# Altium PCB main_io.PcbDoc (part 2 of 3)
Units mil, origin at the board's own origin, x right, y up, seen from the top; angles counter-clockwise.
Board outline 6000 x 9000 mil, 4 copper layers (Top Layer, GND, PWR, Bottom Layer), stack 25.634 mil thick; 533 components, 267 nets, 1561 pads, 50 vias.
Unrouted connection lines stored in the file: 788.
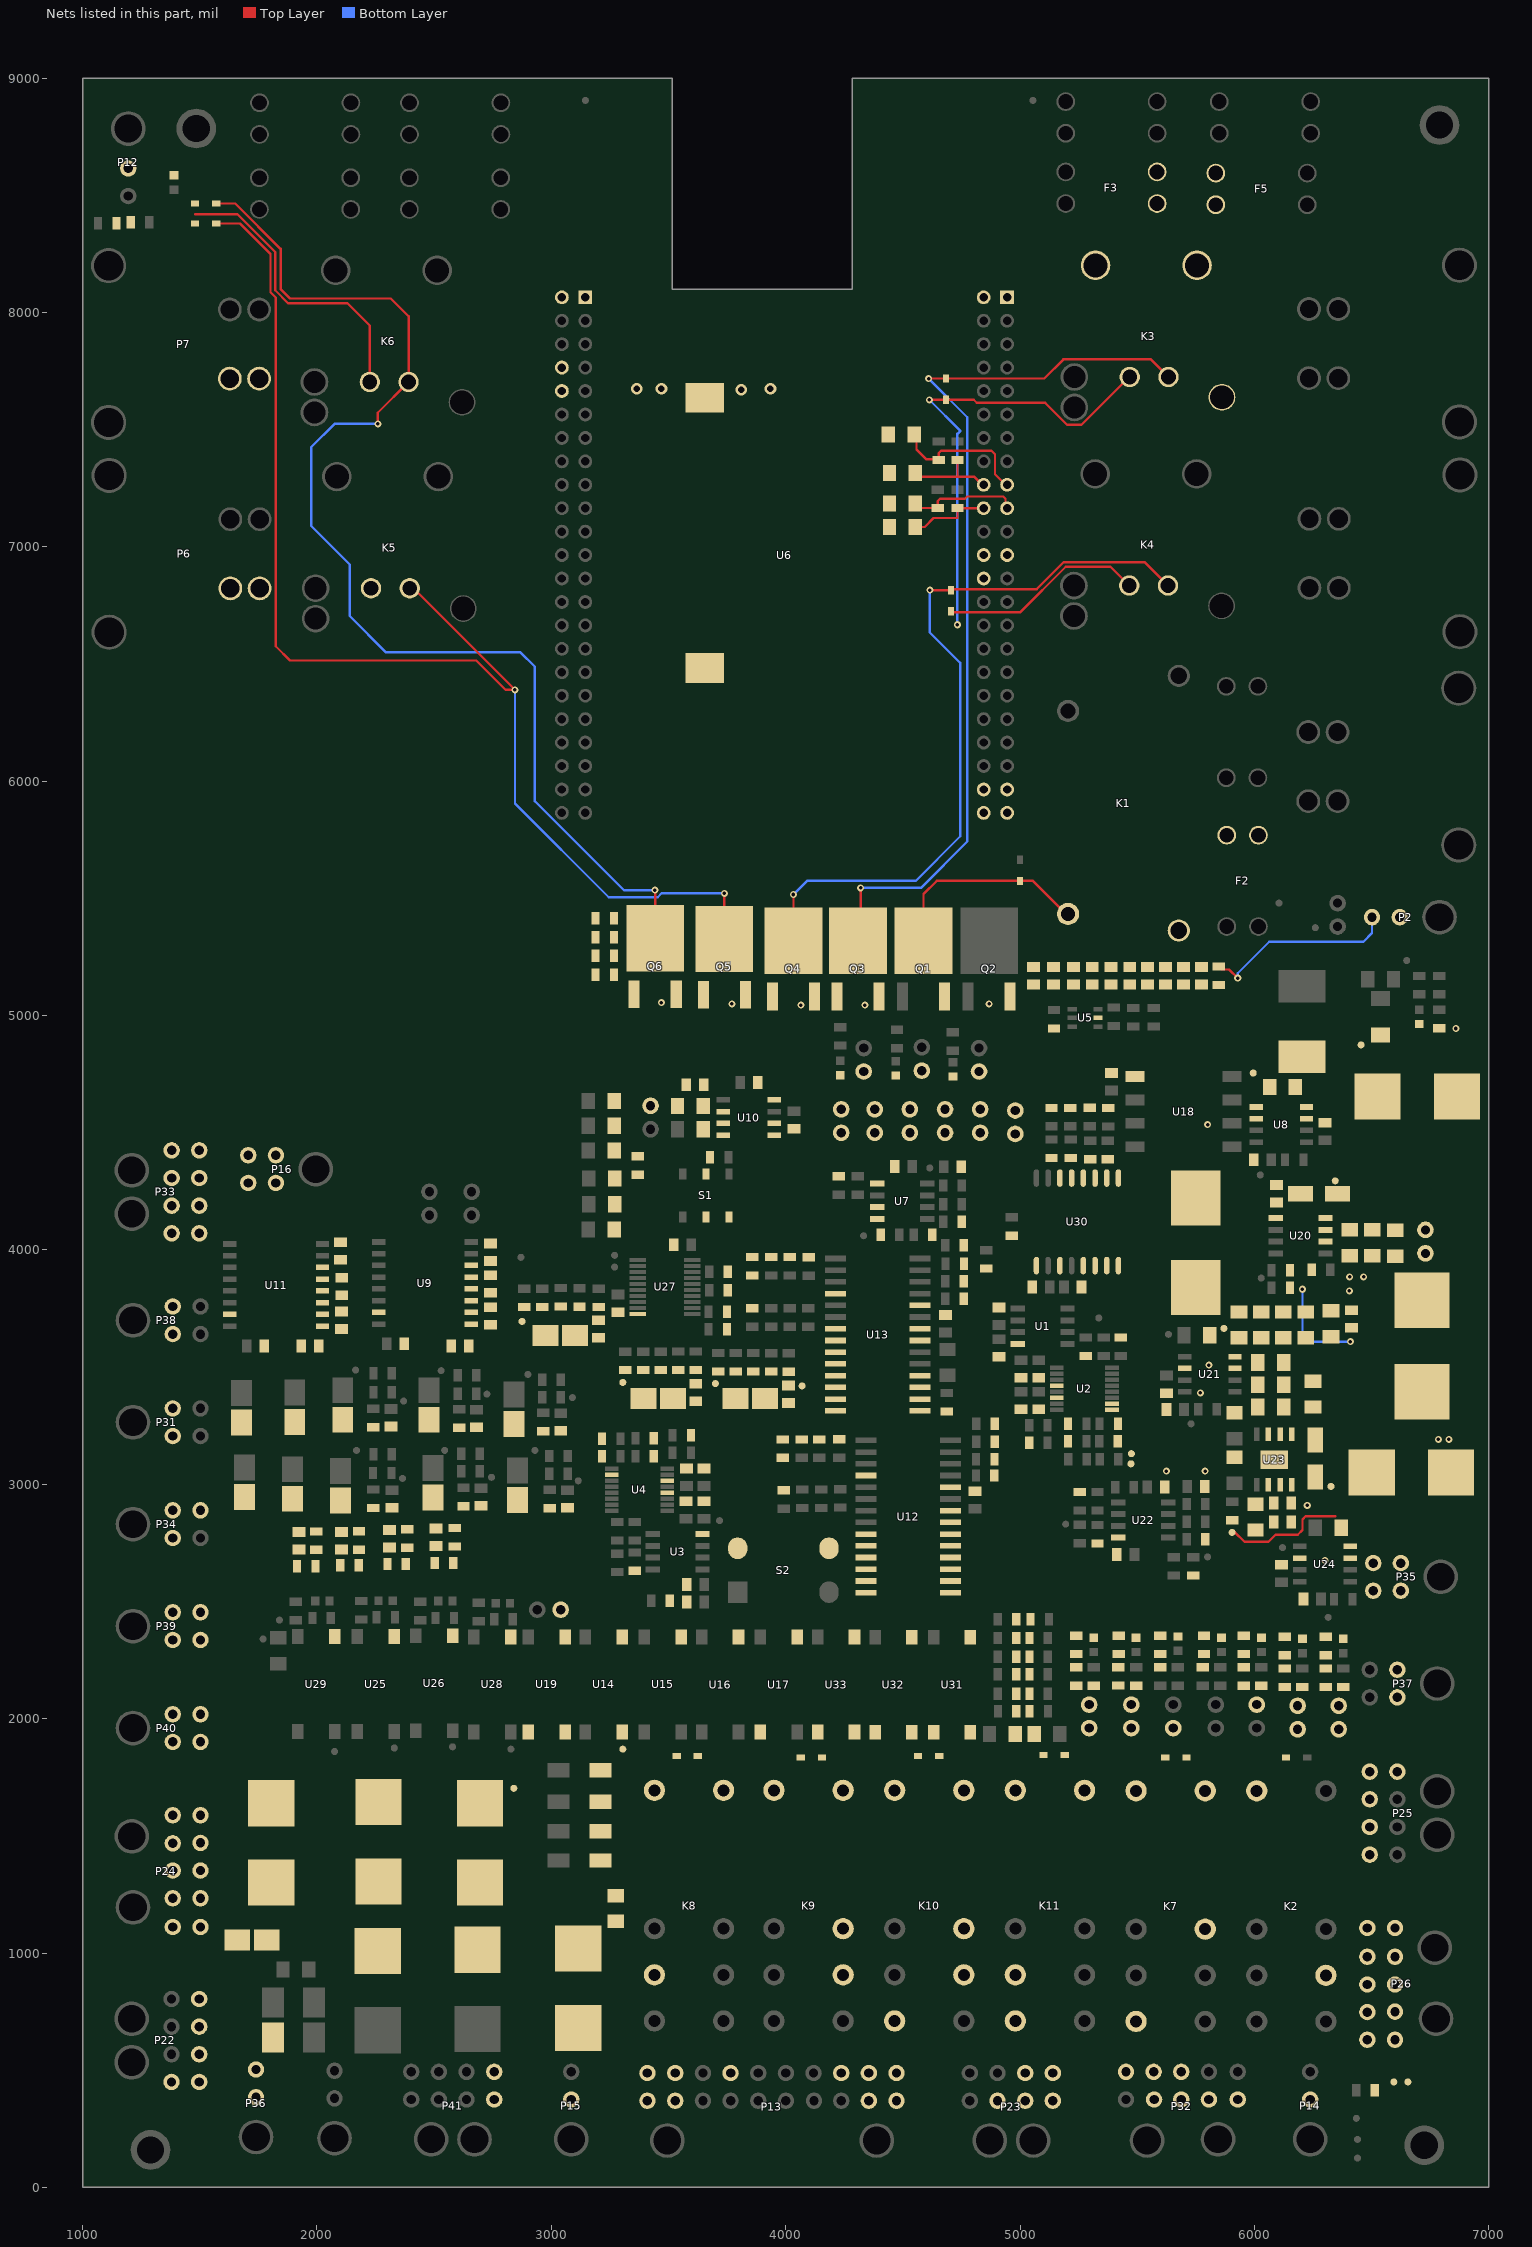
[diagram p4: the nets of this part, all layers, seen from the top]

## Part data
BT2: "HOLDER COIN CELL 2032 SMD", Manufacturer="Memory Protection Devices", Max Operating Temperature=280°C, Min Operating Temperature=-40°C, Package Quantity=400, Supplier Part Number 1=BU2032SM-JJ-GDKR-ND, ComponentLink1Description=http://www.memoryprotectiondevices.com/datasheets/BU2032SM-JJ-GTR-datasheet.pdf?src-supplier=Digi-Key, ComponentLink1URL=http://www.memoryprotectiondevices.com/datasheets/BU2032SM-JJ-GTR-datasheet.pdf?src-supplier=Digi-Key, ComponentLink2Description=https://media.digikey.com/pdf/Data%20Sheets/Memory%20Protection%20PDFs/Coin_Cell_Guide.pdf?src-supplier=Digi-Key, ComponentLink2URL=https://media.digikey.com/pdf/Data%20Sheets/Memory%20Protection%20PDFs/Coin_Cell_Guide.pdf?src-supplier=Digi-Key, Mount="Surface Mount,PCB", Number of Cells=1, Pricing 1="1=0.99, 10=0.836, 100=0.6907 (USD)", Stock 1=90564, Supplier 1=Digi-Key, Termination=SMD/SMT
C1 C3 C5 C7 C9 C11 C88: library part GRM21BR71H105KA12L, "CAP CER 1UF 50V X7R 0805", Digi-Key Part Number=490-4736-1-ND, Manufacturer="Murata Electronics North America", Operating Temperature="-55°C ~ 125°C", Package / Case="0805 (2012 Metric)", Ratings=-, Temperature Coefficient=X7R, Tolerance=±10%, Voltage=50V, @ qty=0, Applications="General Purpose", Datasheets=http://www.murata.com/~/media/webrenewal/support/library/catalog/products/capacitor/mlcc/c02e.pdf, Factory Stock=0, Features=-, Height - Seated (Max)=-, Image=//media.digikey.com/Renders/Murata%20Renders/0805%20(2012%20Metric)%20.85mm.jpg, Lead Spacing=-, Lead Style=-, Minimum Quantity=1, Mounting Type="Surface Mount, MLCC", Packaging="Cut Tape (CT)", Part Number=GRM21BR71H105KA12L, Part Status=Active, Quantity Available=988032, Series=GRM, Size / Dimension="0.079\" L x 0.049\" W (2.00mm x 1.25mm)", Thickness (Max)="0.053\" (1.35mm)", Unit Price (USD)=0.25
C2 C4 C6 C8 C10 C12: library part GCD21BR71H104KA01L, "CAP CER 0.1UF 50V X7R 0805", Digi-Key Part Number=490-11955-1-ND, Manufacturer="Murata Electronics North America", Operating Temperature="-55°C ~ 125°C", Package / Case="0805 (2012 Metric)", Ratings=AEC-Q200, Temperature Coefficient=X7R, Tolerance=±10%, Voltage=50V, @ qty=0, Applications=Automotive, Datasheets=http://www.murata.com/~/media/webrenewal/support/library/catalog/products/capacitor/mlcc/c03e.ashx, Factory Stock=0, Features=-, Height - Seated (Max)=-, Image=//media.digikey.com/Renders/Murata%20Renders/0805%28GxM6%29.jpg, Lead Spacing=-, Lead Style=-, Minimum Quantity=1, Mounting Type="Surface Mount, MLCC", Packaging="Cut Tape (CT)", Part Number=GCD21BR71H104KA01L, Part Status=Active, Quantity Available=157, Series=GCD, Size / Dimension="0.079\" L x 0.049\" W (2.00mm x 1.25mm)", Thickness (Max)="0.049\" (1.25mm)", Unit Price (USD)=0.24
C13 C14 C15 C16 C17 C18 C19 C20 C21 C22: library part GCJ21BR71H105KA01L, "CAP CER 1UF 50V X7R 0805", Digi-Key Part Number=490-10667-1-ND, Manufacturer="Murata Electronics North America", Operating Temperature="-55°C ~ 125°C", Package / Case="0805 (2012 Metric)", Ratings=AEC-Q200, Temperature Coefficient=X7R, Tolerance=±10%, Voltage=50V, @ qty=0, Applications="Automotive, Boardflex Sensitive", Datasheets=http://www.murata.com/~/media/webrenewal/support/library/catalog/products/capacitor/mlcc/c03e.ashx, Factory Stock=0, Features="Soft Termination", Height - Seated (Max)=-, Image=//media.digikey.com/Renders/Murata%20Renders/0805%20(2012%20Metric)%20.85mm.jpg, Lead Spacing=-, Lead Style=-, Minimum Quantity=1, Mounting Type="Surface Mount, MLCC", Packaging="Cut Tape (CT)", Part Number=GCJ21BR71H105KA01L, Part Status=Active, Quantity Available=55137, Series=GCJ, Size / Dimension="0.079\" L x 0.049\" W (2.00mm x 1.25mm)", Thickness (Max)="0.057\" (1.45mm)", Unit Price (USD)=0.33
C23 C28 C64 C71 C72 C82: library part GRM21B7U1A104JA01L, "CAP CER 0.1UF 10V U2J 0805", Digi-Key Part Number=490-11592-1-ND, Manufacturer="Murata Electronics North America", Operating Temperature="-55°C ~ 125°C", Package / Case="0805 (2012 Metric)", Ratings=-, Temperature Coefficient=U2J, Tolerance=±5%, Voltage=10V, @ qty=0, Applications="General Purpose", Datasheets=http://www.murata.com/~/media/webrenewal/support/library/catalog/products/capacitor/mlcc/c02e.pdf, Factory Stock=0, Features=-, Height - Seated (Max)=-, Image=//media.digikey.com/Renders/Murata%20Renders/0805%20(2012%20Metric)%20.85mm.jpg, Lead Spacing=-, Lead Style=-, Minimum Quantity=1, Mounting Type="Surface Mount, MLCC", Packaging="Cut Tape (CT)", Part Number=GRM21B7U1A104JA01L, Part Status=Active, Quantity Available=3390, Series=GRM, Size / Dimension="0.079\" L x 0.049\" W (2.00mm x 1.25mm)", Thickness (Max)="0.053\" (1.35mm)", Unit Price (USD)=0.4
C24 C25 C26 C59 C86 C89 C90: "CAP ALUM POLY 100UF 20% 63V SMD", Capacitance=100uF, Case/Package=Radial, ESR (Equivalent Series Resistance)=24mR, Leakage Current=3uA, Manufacturer=Nichicon, Max Operating Temperature=125°C, Min Operating Temperature=-55°C, Package Quantity=1, Ripple Current=3A, Supplier Part Number 1=493-13783-1-ND, Tolerance=20%, Voltage=63V, ComponentLink1Description=https://datasheet.ciiva.com/29551/e-ch-ta-29551389.pdf?src-supplier=Digi-Key, ComponentLink1URL=https://datasheet.ciiva.com/29551/e-ch-ta-29551389.pdf?src-supplier=Digi-Key, ComponentLink2Description=https://datasheet.ciiva.com/29551/e-ch-ta-29551390.pdf?src-supplier=Digi-Key, ComponentLink2URL=https://datasheet.ciiva.com/29551/e-ch-ta-29551390.pdf?src-supplier=Digi-Key, ComponentLink3Description=https://datasheet.ciiva.com/29551/e-ch-ta-29551391.pdf?src-supplier=Digi-Key, ComponentLink3URL=https://datasheet.ciiva.com/29551/e-ch-ta-29551391.pdf?src-supplier=Digi-Key, Depth=10.3mm, Diameter=10mm, Dissipation Factor=0.08%, Height=12.7mm, Height - Seated (Max)=0.504inch, Lead Free="Lead Free", Lead Pitch=4.6mm, Length=12.7mm, Life (Hours)=4000Hour, Manufacturer Part Number=PCR1J101MCL1GS, Mount="Surface Mount,PCB", Packaging="Tape and Reel", Pricing 1="1=3.63000, 10=2.92800, 100=2.28380 (USD)", RoHS=Yes, Stock 1=11476, Supplier 1=Digi-Key, Termination=SMD/SMT, Voltage Rating=63V, Voltage Rating (DC)=63V, Weight=0.045856oz
C27 C29 C49 C50 C51 C53 C54 C55 C70 C73 C81 C83: library part GRM219R71C104KA01D, "CAP CER 0.1UF 16V X7R 0805", Digi-Key Part Number=490-1683-1-ND, Manufacturer="Murata Electronics North America", Operating Temperature="-55°C ~ 125°C", Package / Case="0805 (2012 Metric)", Ratings=-, Temperature Coefficient=X7R, Tolerance=±10%, Voltage=16V, @ qty=0, Applications="General Purpose", Datasheets=http://www.murata.com/~/media/webrenewal/support/library/catalog/products/capacitor/mlcc/c02e.pdf, Factory Stock=0, Features=-, Height - Seated (Max)=-, Image=//media.digikey.com/Renders/Murata%20Renders/0805%20(2012%20Metric)%20.85mm.jpg, Lead Spacing=-, Lead Style=-, Minimum Quantity=1, Mounting Type="Surface Mount, MLCC", Packaging="Cut Tape (CT)", Part Number=GRM219R71C104KA01D, Part Status=Active, Quantity Available=265464, Series=GRM, Size / Dimension="0.079\" L x 0.049\" W (2.00mm x 1.25mm)", Thickness (Max)="0.037\" (0.95mm)", Unit Price (USD)=0.13
C30 C31 C32 C33 C34 C36 C37 C38 C39 C40 C41 C87: library part GRM219R71C104JA01D, "CAP CER 0.1UF 16V X7R 0805", Digi-Key Part Number=490-12557-1-ND, Manufacturer="Murata Electronics North America", Operating Temperature="-55°C ~ 125°C", Package / Case="0805 (2012 Metric)", Ratings=-, Temperature Coefficient=X7R, Tolerance=±5%, Voltage=16V, @ qty=0, Applications="General Purpose", Datasheets=-, Factory Stock=0, Features=-, Height - Seated (Max)=-, Image=//media.digikey.com/Renders/Murata%20Renders/0805%20(2012%20Metric)%20.85mm.jpg, Lead Spacing=-, Lead Style=-, Minimum Quantity=1, Mounting Type="Surface Mount, MLCC", Packaging="Cut Tape (CT)", Part Number=GRM219R71C104JA01D, Part Status=Active, Quantity Available=6635, Series=GRM, Size / Dimension="0.079\" L x 0.049\" W (2.00mm x 1.25mm)", Thickness (Max)="0.037\" (0.95mm)", Unit Price (USD)=0.12
C35 C42 C52 C56 C57 C58 C84 C85: library part GRM219R71E104KA01D, "CAP CER 0.1UF 25V X7R 0805", Digi-Key Part Number=490-12754-1-ND, Manufacturer="Murata Electronics North America", Operating Temperature="-55°C ~ 125°C", Package / Case="0805 (2012 Metric)", Ratings=-, Temperature Coefficient=X7R, Tolerance=±10%, Voltage=25V, @ qty=0, Applications="General Purpose", Datasheets=http://www.murata.com/~/media/webrenewal/support/library/catalog/products/capacitor/mlcc/c02e.pdf, Factory Stock=0, Features=-, Height - Seated (Max)=-, Image=//media.digikey.com/Renders/Murata%20Renders/0805%20(2012%20Metric)%20.85mm.jpg, Lead Spacing=-, Lead Style=-, Minimum Quantity=1, Mounting Type="Surface Mount, MLCC", Packaging="Cut Tape (CT)", Part Number=GRM219R71E104KA01D, Part Status=Active, Quantity Available=8594, Series=GRM, Size / Dimension="0.079\" L x 0.049\" W (2.00mm x 1.25mm)", Thickness (Max)="0.037\" (0.95mm)", Unit Price (USD)=0.12
C43 C44: library part GRM21BR60J475KA11L, "CAP CER 4.7UF 6.3V X5R 0805", Digi-Key Part Number=490-9749-1-ND, Manufacturer="Murata Electronics North America", Operating Temperature="-55°C ~ 85°C", Package / Case="0805 (2012 Metric)", Ratings=-, Temperature Coefficient=X5R, Tolerance=±10%, Voltage=6.3V, @ qty=0, Applications="General Purpose", Datasheets=http://www.murata.com/~/media/webrenewal/support/library/catalog/products/capacitor/mlcc/c02e.pdf, Factory Stock=0, Features=-, Height - Seated (Max)=-, Image=//media.digikey.com/Renders/Murata%20Renders/0805%20(2012%20Metric)%20.85mm.jpg, Lead Spacing=-, Lead Style=-, Minimum Quantity=1, Mounting Type="Surface Mount, MLCC", Packaging="Cut Tape (CT)", Part Number=GRM21BR60J475KA11L, Part Status=Active, Quantity Available=2821, Series=GRM, Size / Dimension="0.079\" L x 0.049\" W (2.00mm x 1.25mm)", Thickness (Max)="0.055\" (1.40mm)", Unit Price (USD)=0.28
C45 C46 C47 C48: library part GRM21BC81E106KE51L, "CAP CER 10UF 25V X6S 0805", Digi-Key Part Number=490-10502-1-ND, Manufacturer="Murata Electronics North America", Operating Temperature="-55°C ~ 105°C", Package / Case="0805 (2012 Metric)", Ratings=-, Temperature Coefficient=X6S, Tolerance=±10%, Voltage=25V, @ qty=0, Applications="General Purpose", Datasheets=http://www.murata.com/~/media/webrenewal/support/library/catalog/products/capacitor/mlcc/c02e.pdf, Factory Stock=0, Features="Derating Recommended", Height - Seated (Max)=-, Image=//media.digikey.com/Renders/Murata%20Renders/0805%20(2012%20Metric)%20.85mm.jpg, Lead Spacing=-, Lead Style=-, Minimum Quantity=1, Mounting Type="Surface Mount, MLCC", Packaging="Cut Tape (CT)", Part Number=GRM21BC81E106KE51L, Part Status=Active, Quantity Available=230, Series=GRM, Size / Dimension="0.079\" L x 0.049\" W (2.00mm x 1.25mm)", Thickness (Max)="0.055\" (1.40mm)", Unit Price (USD)=0.25
C60: library part GC321AD72E103KX01D, "CAP CER 10000PF 250V X7T 0805", Digi-Key Part Number=490-13986-1-ND, Manufacturer="Murata Electronics North America", Operating Temperature="-55°C ~ 125°C", Package / Case="0805 (2012 Metric)", Ratings=AEC-Q200, Temperature Coefficient=X7T, Tolerance=±10%, Voltage=250V, @ qty=0, Applications=Automotive, Datasheets=http://search.murata.co.jp/Ceramy/image/img/A01X/G101/ENG/GC321AD72E103KX01-01.pdf, Factory Stock=0, Features=-, Height - Seated (Max)=-, Image=//media.digikey.com/Renders/Murata%20Renders/0805(GC3)200x125.jpg, Lead Spacing=-, Lead Style=-, Minimum Quantity=1, Mounting Type="Surface Mount, MLCC", Packaging="Cut Tape (CT)", Part Number=GC321AD72E103KX01D, Part Status=Active, Quantity Available=4000, Series=GC3, Size / Dimension="0.079\" L x 0.049\" W (2.00mm x 1.25mm)", Thickness (Max)="0.039\" (1.00mm)", Unit Price (USD)=0.3
C61 C65 C66 C67 C68 C69 C75: library part GRT31CR61E226ME01L, "CAP CER 22UF 25V X5R 1206", Digi-Key Part Number=490-12451-1-ND, Manufacturer="Murata Electronics North America", Operating Temperature="-55°C ~ 85°C", Package / Case="1206 (3216 Metric)", Ratings=AEC-Q200, Temperature Coefficient=X5R, Tolerance=±20%, Voltage=25V, @ qty=0, Applications=Automotive, Datasheets=http://search.murata.co.jp/Ceramy/image/img/A01X/G101/ENG/GRT31CR61E226ME01-01.pdf, Factory Stock=0, Features=-, Height - Seated (Max)=-, Image=//media.digikey.com/Renders/Murata%20Renders/GR331BD72E473KW01L.jpg, Lead Spacing=-, Lead Style=-, Minimum Quantity=1, Mounting Type="Surface Mount, MLCC", Packaging="Cut Tape (CT)", Part Number=GRT31CR61E226ME01L, Part Status=Active, Quantity Available=4719, Series=GRT, Size / Dimension="0.126\" L x 0.063\" W (3.20mm x 1.60mm)", Thickness (Max)="0.071\" (1.80mm)", Unit Price (USD)=0.52
C62 C63 C76 C77: library part GCM31CC71H475KA03L, "CAP CER 4.7UF 50V X7S 1206", Digi-Key Part Number=490-11167-1-ND, Manufacturer="Murata Electronics North America", Operating Temperature="-55°C ~ 125°C", Package / Case="1206 (3216 Metric)", Ratings=AEC-Q200, Temperature Coefficient=X7S, Tolerance=±10%, Voltage=50V, @ qty=0, Applications=Automotive, Datasheets=http://www.murata.com/~/media/webrenewal/support/library/catalog/products/capacitor/mlcc/c03e.ashx, Factory Stock=0, Features=-, Height - Seated (Max)=-, Image=//media.digikey.com/Renders/Murata%20Renders/GR331BD72E473KW01L.jpg, Lead Spacing=-, Lead Style=-, Minimum Quantity=1, Mounting Type="Surface Mount, MLCC", Packaging="Cut Tape (CT)", Part Number=GCM31CC71H475KA03L, Part Status=Active, Quantity Available=11700, Series=GCM, Size / Dimension="0.126\" L x 0.063\" W (3.20mm x 1.60mm)", Thickness (Max)="0.071\" (1.80mm)", Unit Price (USD)=0.57
C74: library part GRM31C5C1H104JA01K, "CAP CER 0.1UF 50V NP0 1206", Digi-Key Part Number=490-8335-1-ND, Manufacturer="Murata Electronics North America", Operating Temperature="-55°C ~ 125°C", Package / Case="1206 (3216 Metric)", Ratings=-, Temperature Coefficient="C0G, NP0", Tolerance=±5%, Voltage=50V, @ qty=0, Applications="General Purpose", Datasheets=http://www.murata.com/~/media/webrenewal/support/library/catalog/products/capacitor/mlcc/c02e.pdf, Factory Stock=0, Features=-, Height - Seated (Max)=-, Image=//media.digikey.com/Renders/Murata%20Renders/GR331BD72E473KW01L.jpg, Lead Spacing=-, Lead Style=-, Minimum Quantity=1, Mounting Type="Surface Mount, MLCC", Packaging="Cut Tape (CT)", Part Number=GRM31C5C1H104JA01K, Part Status=Active, Quantity Available=9857, Series=GRM, Size / Dimension="0.126\" L x 0.063\" W (3.20mm x 1.60mm)", Thickness (Max)="0.071\" (1.80mm)", Unit Price (USD)=0.35
C78: library part GQM2195C2A6R8CB01D, "CAP CER 6.8PF 100V NP0 0805", Digi-Key Part Number=490-3596-1-ND, Manufacturer="Murata Electronics North America", Operating Temperature="-55°C ~ 125°C", Package / Case="0805 (2012 Metric)", Ratings=-, Temperature Coefficient="C0G, NP0", Tolerance=±0.25pF, Voltage=100V, @ qty=0, Applications="RF, Microwave, High Frequency", Datasheets=http://www.murata.com/~/media/webrenewal/support/library/catalog/products/capacitor/mlcc/c02e.pdf, Factory Stock=0, Features="High Q, Low Loss", Height - Seated (Max)=-, Image=//media.digikey.com/Renders/Murata%20Renders/0805(GxM9).jpg, Lead Spacing=-, Lead Style=-, Minimum Quantity=1, Mounting Type="Surface Mount, MLCC", Packaging="Cut Tape (CT)", Part Number=GQM2195C2A6R8CB01D, Part Status=Active, Quantity Available=5718, Series=GQM, Size / Dimension="0.079\" L x 0.049\" W (2.00mm x 1.25mm)", Thickness (Max)="0.037\" (0.95mm)", Unit Price (USD)=0.71
C79: "PANASONIC ELECTRONIC COMPONENTS         16SVPG47M             Electrolytic Capacitor, 47 F, 16 V, SVPG Series, Radial Can - SMD, -55 C", Capacitance=47uF, Case/Package=Radial, ESR (Equivalent Series Resistance)=25mR, Manufacturer=Panasonic, Max Operating Temperature=105°C, Min Operating Temperature=-55°C, Package Quantity=2500, Ripple Current=3.2A, Supplier Part Number 1=P18930CT-ND, Tolerance=20%, Voltage Rating=16V, ComponentLink1Description=http://industrial.panasonic.com/cdbs/www-data/pdf/AAB8000/AAB8000C175.pdf?src-supplier=Digi-Key, ComponentLink1URL=http://industrial.panasonic.com/cdbs/www-data/pdf/AAB8000/AAB8000C175.pdf?src-supplier=Digi-Key, ComponentLink2Description=http://industrial.panasonic.com/cdbs/www-data/pdf/AAB8000/AAB8000C175.pdf?src-supplier=Farnell, ComponentLink2URL=http://industrial.panasonic.com/cdbs/www-data/pdf/AAB8000/AAB8000C175.pdf?src-supplier=Farnell, ComponentLink3Description=https://industrial.panasonic.com/cdbs/www-data/pdf/AAB8000/AAB8000C175.pdf?src-supplier=Digi-Key, ComponentLink3URL=https://industrial.panasonic.com/cdbs/www-data/pdf/AAB8000/AAB8000C175.pdf?src-supplier=Digi-Key, ComponentLink4Description=http://www.farnell.com/datasheets/1950075.pdf?src-supplier=Element14, ComponentLink4URL=http://www.farnell.com/datasheets/1950075.pdf?src-supplier=Element14, ComponentLink5Description=http://industrial.panasonic.com/cdbs/www-data/pdf/AAB8000/AAB8000C175.pdf?src-supplier=Newark, ComponentLink5URL=http://industrial.panasonic.com/cdbs/www-data/pdf/AAB8000/AAB8000C175.pdf?src-supplier=Newark, Height - Seated (Max)=0.177inch, Life (Hours)=5000Hour, Mount="Surface Mount", Packaging="Cut Tape", Polarity=Polar, Pricing 1="1=1.26, 10=0.998, 100=0.7483, 500=0.56538, 1000=0.49887 (USD)", REACH SVHC="No SVHC", Stock 1=9541, Supplier 1=Digi-Key, Voltage Rating (DC)=16V
C80: library part GRM2165C1H152FA01D, "CAP CER 1500PF 50V NP0 0805", Digi-Key Part Number=490-7772-1-ND, Manufacturer="Murata Electronics North America", Operating Temperature="-55°C ~ 125°C", Package / Case="0805 (2012 Metric)", Ratings=-, Temperature Coefficient="C0G, NP0", Tolerance=±1%, Voltage=50V, @ qty=0, Applications="General Purpose", Datasheets=http://www.murata.com/~/media/webrenewal/support/library/catalog/products/capacitor/mlcc/c02e.pdf, Factory Stock=0, Features=-, Height - Seated (Max)=-, Image=//media.digikey.com/Renders/Murata%20Renders/0805%20(2012%20Metric)%20.85mm.jpg, Lead Spacing=-, Lead Style=-, Minimum Quantity=1, Mounting Type="Surface Mount, MLCC", Packaging="Cut Tape (CT)", Part Number=GRM2165C1H152FA01D, Part Status=Active, Quantity Available=15785, Series=GRM, Size / Dimension="0.079\" L x 0.049\" W (2.00mm x 1.25mm)", Thickness (Max)="0.028\" (0.70mm)", Unit Price (USD)=0.28
D1 D2 D3 D4 D5 D6 D21 D28 D29 D30 D31: "DIODE GEN PURP 20V 350MA SOD323", Manufacturer="Diodes Incorporated", Manufacturer P/N=SD103CWS-7-F, Package / Case=SOD323, ComponentLink1Description=Digikey, ComponentLink1URL=https://www.digikey.com/product-detail/en/diodes-incorporated/SD103CWS-7-F/SD103CWS-FDIDKR-ND/1836772, ComponentLink2Description=Datasheet, ComponentLink2URL=https://www.diodes.com/assets/Datasheets/ds30101.pdf, ComponentLink3Description=Dimensions, ComponentLink3URL=https://www.diodes.com/assets/Package-Files/SOD323.pdf, Digikey P/N=SD103CWS-FDIDKR-ND
D7 D8 D9 D10: "TVS DIODE 8V 13.6V DO214AA", Breakdown Voltage=8.89V, Case/Package=SMB, Clamping Voltage=13.6V, Leakage Current=100uA, Manufacturer=Littelfuse, Max Breakdown Voltage=9.83V, Max Operating Temperature=150°C, Max Power Dissipation=600W, Max Surge Current=44.2A, Min Operating Temperature=-65°C, Operating Supply Voltage=8V, Package Quantity=3000, Power Line Protection=No, Supplier Part Number 1=SMBJ8.0CALFCT-ND, Test Current=1mA, ComponentLink1Description=http://www.littelfuse.com/~/media/electronics/datasheets/tvs_diodes/littelfuse_tvs_diode_smbj_datasheet.pdf.pdf?src-supplier=Digi-Key, ComponentLink1URL=http://www.littelfuse.com/~/media/electronics/datasheets/tvs_diodes/littelfuse_tvs_diode_smbj_datasheet.pdf.pdf?src-supplier=Digi-Key, ComponentLink2Description=http://www.littelfuse.com/data/en/Data_Sheets/Littelfuse_TVS-Diode_SMBJ.pdf?src-supplier=Element14, ComponentLink2URL=http://www.littelfuse.com/data/en/Data_Sheets/Littelfuse_TVS-Diode_SMBJ.pdf?src-supplier=Element14, Composition=Zener, Direction=Bidirectional, Height=2.44mm, Lead Free="Lead Free", Length=5.59mm, Min Breakdown Voltage=8.89V, Mount="Surface Mount", Number of Bidirectional Channels=1, Number of Channels=1, Number of Elements=1, Number of Pins=2, Packaging="Tape and Reel", Peak Pulse Current=44.2A, Peak Pulse Power=600W, Polarity=Bidirectional, Power Dissipation=600W, Pricing 1="1=0.39, 10=0.313, 25=0.2864, 100=0.1798, 250=0.17784, 500=0.1665, 1000=0.11322 (USD)", REACH SVHC="No SVHC", Reverse Breakdown Voltage=8.89V, Reverse Standoff Voltage=8V, Stock 1=700, Supplier 1=Digi-Key, Termination=SMD/SMT, Voltage Rating (DC)=8V, Width=3.94mm
D11 D12 D13 D14 D15 D16 D17 D18 D19 D20: "TVS DIODE 15V 24.4V DO214AA", Breakdown Voltage=16.7V, Case/Package=SMB, Clamping Voltage=24.4V, Current=68A, Leakage Current=1uA, Manufacturer=Littelfuse, Max Breakdown Voltage=18.5V, Max Operating Temperature=150°C, Max Power Dissipation=5W, Max Surge Current=24.6A, Min Operating Temperature=-65°C, Operating Supply Voltage=15V, Package Quantity=3000, Peak Pulse Power=600W, Power Line Protection=No, Supplier Part Number 1=SMBJ15ALFCT-ND, Test Current=1mA, Voltage=5V, ComponentLink1Description=https://datasheet.ciiva.com/34301/1078555-34301957.pdf?src-supplier=Jameco, ComponentLink1URL=https://datasheet.ciiva.com/34301/1078555-34301957.pdf?src-supplier=Jameco, ComponentLink2Description=https://datasheet.ciiva.com/25624/0900766b810f4eeb-25624826.pdf?src-supplier=RSComponents, ComponentLink2URL=https://datasheet.ciiva.com/25624/0900766b810f4eeb-25624826.pdf?src-supplier=RSComponents, ComponentLink3Description=https://datasheet.ciiva.com/46385/13057-46385079.pdf?src-supplier=Element14, ComponentLink3URL=https://datasheet.ciiva.com/46385/13057-46385079.pdf?src-supplier=Element14, ComponentLink4Description=https://datasheet.ciiva.com/331/littelfuse-tvs-diode-smbj-datasheet-pdf-331176.pdf?src-supplier=Digi-Key, ComponentLink4URL=https://datasheet.ciiva.com/331/littelfuse-tvs-diode-smbj-datasheet-pdf-331176.pdf?src-supplier=Digi-Key, ComponentLink5Description=https://datasheet.ciiva.com/331/littelfuse-tvs-diode-smbj-datasheet-pdf-331177.pdf?src-supplier=Digi-Key, ComponentLink5URL=https://datasheet.ciiva.com/331/littelfuse-tvs-diode-smbj-datasheet-pdf-331177.pdf?src-supplier=Digi-Key, ComponentLink6Description=https://datasheet.ciiva.com/331/littelfuse-tvs-diode-smbj-datasheet-pdf-331178.pdf?src-supplier=Digi-Key, ComponentLink6URL=https://datasheet.ciiva.com/331/littelfuse-tvs-diode-smbj-datasheet-pdf-331178.pdf?src-supplier=Digi-Key, ComponentLink7Description=https://datasheet.ciiva.com/25624/0900766b810f4eeb-25624712.pdf?src-supplier=RSComponents, ComponentLink7URL=https://datasheet.ciiva.com/25624/0900766b810f4eeb-25624712.pdf?src-supplier=RSComponents, ComponentLink8Description=https://datasheet.ciiva.com/34302/1546929-34302459.pdf?src-supplier=Jameco, ComponentLink8URL=https://datasheet.ciiva.com/34302/1546929-34302459.pdf?src-supplier=Jameco, ComponentLink9Description=https://datasheet.ciiva.com/46381/1677318-46381958.pdf?src-supplier=Element14, ComponentLink9URL=https://datasheet.ciiva.com/46381/1677318-46381958.pdf?src-supplier=Element14, ComponentLink10Description=https://datasheet.ciiva.com/331/littelfuse-tvs-diode-smbj-datasheet-pdf-331131.pdf?src-supplier=Digi-Key, ComponentLink10URL=https://datasheet.ciiva.com/331/littelfuse-tvs-diode-smbj-datasheet-pdf-331131.pdf?src-supplier=Digi-Key, ComponentLink11Description=https://datasheet.ciiva.com/331/littelfuse-tvs-diode-smbj-datasheet-pdf-331132.pdf?src-supplier=Digi-Key, ComponentLink11URL=https://datasheet.ciiva.com/331/littelfuse-tvs-diode-smbj-datasheet-pdf-331132.pdf?src-supplier=Digi-Key, ComponentLink12Description=https://datasheet.ciiva.com/331/littelfuse-tvs-diode-smbj-datasheet-pdf-331133.pdf?src-supplier=Digi-Key, ComponentLink12URL=https://datasheet.ciiva.com/331/littelfuse-tvs-diode-smbj-datasheet-pdf-331133.pdf?src-supplier=Digi-Key, Composition=Zener, Direction=Unidirectional, Element Configuration=Single, ESD Protection=Yes, Height=2.237mm, Lead Free="Lead Free", Length=4.57mm, Max Reverse Leakage Current=1uA, Min Breakdown Voltage=16.7V, Mount="Surface Mount", Number of Channels=1, Number of Elements=1, Number of Pins=2, Number of Unidirectional Channels=1, Packaging="Tape and Reel", Peak Pulse Current=24.6A, Polarity=Unidirectional, Power Dissipation=600W, Pricing 1="1=0.45000, 10=0.33900, 25=0.30520, 100=0.21090, 250=0.17760, 500=0.14430, 1000=0.11100 (USD)", Pricing 2="1=0.35000, 10=0.28700, 25=0.26240, 100=0.19540, 250=0.17704, 500=0.14652, 1000=0.10989 (USD)", Radiation Hardening=No, REACH SVHC=Unknown, Reverse Breakdown Voltage=16.7V, Reverse Standoff Voltage=15V, RoHS=Yes, Stock 1=73945, Stock 2=69911, Supplier 1=Digi-Key, Supplier 2=Digi-Key, Supplier Part Number 2=SMBJ5.0ALFCT-ND, Termination=SMD/SMT, Voltage Rating (DC)=15V, Width=3.94mm
D22 D23: "DIODE SCHOTTKY 40V 3A SMA", Average Rectified Current=3A, Capacitance=250pF, Case/Package=SMA, Forward Voltage=500mV, Manufacturer=Diodes, Max Forward Surge Current (Ifsm)=80A, Max Operating Temperature=125°C, Max Repetitive Reverse Voltage (Vrrm)=40V, Min Operating Temperature=-55°C, Package Quantity=5000, Peak Reverse Current=500uA, Supplier Part Number 1=B340A-FDICT-ND, ComponentLink1Description=https://datasheet.ciiva.com/26949/getdatasheetpartid-143394-26949352.pdf?src-supplier=Verical, ComponentLink1URL=https://datasheet.ciiva.com/26949/getdatasheetpartid-143394-26949352.pdf?src-supplier=Verical, ComponentLink2Description=https://datasheet.ciiva.com/4245/861ds30891-4245763.pdf?src-supplier=Arrow, ComponentLink2URL=https://datasheet.ciiva.com/4245/861ds30891-4245763.pdf?src-supplier=Arrow, ComponentLink3Description=https://datasheet.ciiva.com/1177/ds30891-1177476.pdf?src-supplier=Element14, ComponentLink3URL=https://datasheet.ciiva.com/1177/ds30891-1177476.pdf?src-supplier=Element14, ComponentLink4Description=https://datasheet.ciiva.com/913/ds30891-913638.pdf?src-supplier=Digi-Key, ComponentLink4URL=https://datasheet.ciiva.com/913/ds30891-913638.pdf?src-supplier=Digi-Key, ComponentLink5Description=https://datasheet.ciiva.com/46393/1911813-46393773.pdf?src-supplier=Element14, ComponentLink5URL=https://datasheet.ciiva.com/46393/1911813-46393773.pdf?src-supplier=Element14, ComponentLink6Description=https://datasheet.ciiva.com/1240/ds30891-1240228.pdf?src-supplier=Newark, ComponentLink6URL=https://datasheet.ciiva.com/1240/ds30891-1240228.pdf?src-supplier=Newark, ComponentLink7Description=https://datasheet.ciiva.com/913/ds30891-913637.pdf?src-supplier=Digi-Key, ComponentLink7URL=https://datasheet.ciiva.com/913/ds30891-913637.pdf?src-supplier=Digi-Key, ComponentLink8Description=https://datasheet.ciiva.com/913/ds30891-913639.pdf?src-supplier=Digi-Key, ComponentLink8URL=https://datasheet.ciiva.com/913/ds30891-913639.pdf?src-supplier=Digi-Key, Contact Plating=Tin,Matte, Current=3A, Current Rating=3A, Element Configuration=Single, Forward Current=3A, Height=2.3mm, Lead Free="Lead Free", Length=4.6mm, Max Reverse Voltage (DC)=40V, Mount="Surface Mount", Number of Pins=2, Output Current=3A, Packaging="Tape and Reel", Peak Non-Repetitive Surge Current=80A, Polarity=Standard, Pricing 1="1=0.42000, 10=0.33900, 100=0.23070, 500=0.17304, 1000=0.12978 (USD)", Radiation Hardening=No, REACH SVHC="No SVHC", RoHS=Yes, Stock 1=438328, Supplier 1=Digi-Key, Termination=SMD/SMT, Voltage=40V, Voltage Rating (DC)=40V, Weight=0.002258oz, Width=2.92mm
  D22: Manufacturer Part Number=B340A-13-F
D24 D25 D26 D27: "TVS DIODE 24V 38.9V DO214AC", Manufacturer="LittelFuse Inc", Digikey Link=https://www.digikey.com/product-detail/en/littelfuse-inc/SMAJ24A/SMAJ24ALFCT-ND/762500, Digikey P/N=SMAJ24ALFCT-ND, Manufacturer P/N=SMAJ24A
F1 F2 F3 F4 F5 F6 F7 F8 F9 F10: "FUSE HOLDER MINI AUTO PC", Color=Black, Current Rating=20A, Flammability Rating="UL94 V-0", Manufacturer="Keystone Electronics", Max Operating Temperature=145°C, Min Operating Temperature=-50°C, Package Quantity=1, Supplier Part Number 1=3568K-ND, Voltage=500V, Approvals=UL, Body Material=Nylon, ComponentLink1Description=http://www.keyelco.com/userAssets/file/M60-2p40.pdf?src-supplier=Future+Electronics, ComponentLink1URL=http://www.keyelco.com/userAssets/file/M60-2p40.pdf?src-supplier=Future+Electronics, ComponentLink2Description=https://www.alliedelec.com/m/d/15b4f09b8ba48c4b08efedd730709c21.pdf?src-supplier=Allied+Electronics, ComponentLink2URL=https://www.alliedelec.com/m/d/15b4f09b8ba48c4b08efedd730709c21.pdf?src-supplier=Allied+Electronics, Contact Material=Brass,Tin, Contact Plating=Tin, Depth=6.73mm, Fuse Current=20A, Fuse Type=Automotive, Illumination Type=Illuminated, Lead Free="Lead Free", Length=16mm, Manufacturer Part Number=3568, Material=Brass,Tin,Nylon, Mount=PCB,Vertical, Number of Circuits=1, Number of Poles=1, Orientation=Vertical, REACH SVHC="No SVHC", Stock 1=0, Supplier 1=Digi-Key, Termination="PC Pin", Voltage Rating (AC)=500V
  F1 F2 F3 F4 F7 F8: DNP=DNP
F11 F12: "FUSE BOARD MNT 2A 63VAC/VDC 1206", Case/Package=1206, Case Code (Metric)=3216, Current Rating=2A, DC Cold Resistance=32.4mR, Manufacturer=Littelfuse, Manufacturer Part Number=0468002.NR, Max Operating Temperature=90°C, Min Operating Temperature=-55°C, Package Quantity=5000, Power Dissipation=154.5mW, Supplier Part Number 1=F2570DKR-ND, Voltage Rating=63V, Approvals=UL,CSA, Case Code (Imperial)=1206, ComponentLink1Description=http://www.farnell.com/datasheets/94905.pdf?src-supplier=Farnell, ComponentLink1URL=http://www.farnell.com/datasheets/94905.pdf?src-supplier=Farnell, ComponentLink2Description=http://www.littelfuse.com/~/media/electronics/datasheets/fuses/littelfuse_fuse_468_datasheet.pdf.pdf?src-supplier=Digi-Key, ComponentLink2URL=http://www.littelfuse.com/~/media/electronics/datasheets/fuses/littelfuse_fuse_468_datasheet.pdf.pdf?src-supplier=Digi-Key, ComponentLink3Description=http://www.farnell.com/datasheets/1851811.pdf?src-supplier=Element14, ComponentLink3URL=http://www.farnell.com/datasheets/1851811.pdf?src-supplier=Element14, ComponentLink4Description=http://www.littelfuse.com/~/media/electronics/datasheets/fuses/littelfuse_fuse_468_datasheet.pdf.pdf?src-supplier=Future+Electronics, ComponentLink4URL=http://www.littelfuse.com/~/media/electronics/datasheets/fuses/littelfuse_fuse_468_datasheet.pdf.pdf?src-supplier=Future+Electronics, Composition="Thin Film", Depth=1.52mm, Fuse Current=2A, Fuse Type="Board Mount (Cartridge Style Excluded)", Height=0.58mm, Lead Free="Lead Free", Length=3.18mm, Mount="Surface Mount", Number of Pins=2, Packaging="Tape and Reel", Pricing 1="1=1.2, 5=1.166, 10=1.091, 50=0.9028, 100=0.7524, 250=0.7336, 500=0.62074, 1000=0.54549 (USD)", Radiation Hardening=No, REACH SVHC=Unknown, Resistance=32.4mR, Stock 1=13091, Supplier 1=Digi-Key, Terminal Material=Tin, Termination=SMD/SMT, Voltage Rating (AC)=63V, Voltage Rating (DC)=63V, Width=1.52mm
F13 F14: Case/Package=SMD/SMT, Current Rating=15A, DC Cold Resistance=4mR, Manufacturer=Eaton, Supplier Part Number 1=283-4104-1-ND, Voltage Rating=125V, Approvals=cULus,PSE, ComponentLink1Description=http://components.arrow.com/part/dataview/0323_05918082?src-supplier=Arrow+Europe, ComponentLink1URL=http://components.arrow.com/part/dataview/0323_05918082?src-supplier=Arrow+Europe, ComponentLink2Description=http://www.cooperindustries.com/content/dam/public/bussmann/Electronics/Resources/product-datasheets/bus-elx-ds-4377-cb61f.pdf?src-supplier=Avnet+Asia, ComponentLink2URL=http://www.cooperindustries.com/content/dam/public/bussmann/Electronics/Resources/product-datasheets/bus-elx-ds-4377-cb61f.pdf?src-supplier=Avnet+Asia, ComponentLink3Description=http://www.cooperindustries.com/content/dam/public/bussmann/Electronics/Resources/product-datasheets/bus-elx-ds-4377-cb61f.pdf?src-supplier=Avnet, ComponentLink3URL=http://www.cooperindustries.com/content/dam/public/bussmann/Electronics/Resources/product-datasheets/bus-elx-ds-4377-cb61f.pdf?src-supplier=Avnet, ComponentLink4Description=http://www.cooperindustries.com/content/dam/public/bussmann/Electronics/Resources/product-datasheets/bus-elx-ds-4377-cb61f.pdf?src-supplier=Digi-Key, ComponentLink4URL=http://www.cooperindustries.com/content/dam/public/bussmann/Electronics/Resources/product-datasheets/bus-elx-ds-4377-cb61f.pdf?src-supplier=Digi-Key, Depth=2.57mm, Fuse Type="Board Mount (Cartridge Style Excluded)", Height=0.101inch, Lead Free="Lead Free", Length=0.24inch, Manufacturer Part Number=CB61F15A-TR1, Mount="Surface Mount", Packaging="Tape and Reel", Pricing 1="1=1.15000, 5=1.11800, 10=1.04600, 50=0.86600, 100=0.72160, 250=0.70356, 500=0.59532 (USD)", RoHS=Yes, Stock 1=11809, Supplier 1=Digi-Key, Voltage Rating (AC)=125V, Voltage Rating (DC)=125V, Width=0.101inch
K1: "RELAY, PCB, SPST-NO, 24VDC, 25A", Coil Current=37.5mA, Coil Power=1W, Coil Resistance=640R, Coil Voltage (DC)=24V, Contact Current Rating=25A, Contact Voltage Rating (AC)=277V, Manufacturer="TE Connectivity", Max Operating Temperature=55°C, Min Operating Temperature=-30°C, Package Quantity=500, Supplier Part Number 1=PB2178-ND, Approvals=UL,VDE, Coil Type=Non-Latching, ComponentLink1Description=http://www.farnell.com/cad/1652771.pdf?src-supplier=Element14, ComponentLink1URL=http://www.farnell.com/cad/1652771.pdf?src-supplier=Element14, ComponentLink2Description=http://www.farnell.com/datasheets/2043483.pdf?src-supplier=Farnell, ComponentLink2URL=http://www.farnell.com/datasheets/2043483.pdf?src-supplier=Farnell, ComponentLink3Description=https://www.te.com/commerce/DocumentDelivery/DDEController?Action=srchrtrv&DocNm=PCFN_solar_relay_datasheet&DocType=DS&DocLang=English, ComponentLink3URL=https://www.te.com/commerce/DocumentDelivery/DDEController?Action=srchrtrv&DocNm=PCFN_solar_relay_datasheet&DocType=DS&DocLang=English, Contact Material=Tin,Silver, Current Rating=25A, Depth=16mm, ELV=Compliant, Height=1.043inch, Length=30.4mm, Mount="Through Hole,PCB", Operate Time=20ms, Packaging=Rail/Tube, Pricing 1="1=3.7, 10=3.473, 25=3.0872, 50=2.9326, 100=2.7783, 250=2.4696, 500=2.31526, 1000=2.1609 (USD)", REACH SVHC=Unknown, Relay Type="General Purpose", Release Time=10ms, Stock 1=401, Supplier 1=Digi-Key, Termination=PCB, Throw Configuration=SPST, Voltage Rating (DC)=24V, Weight=28g, Width=0.63inch